# Altium PCB Ixora.PcbDoc (part 2 of 13) (continued)
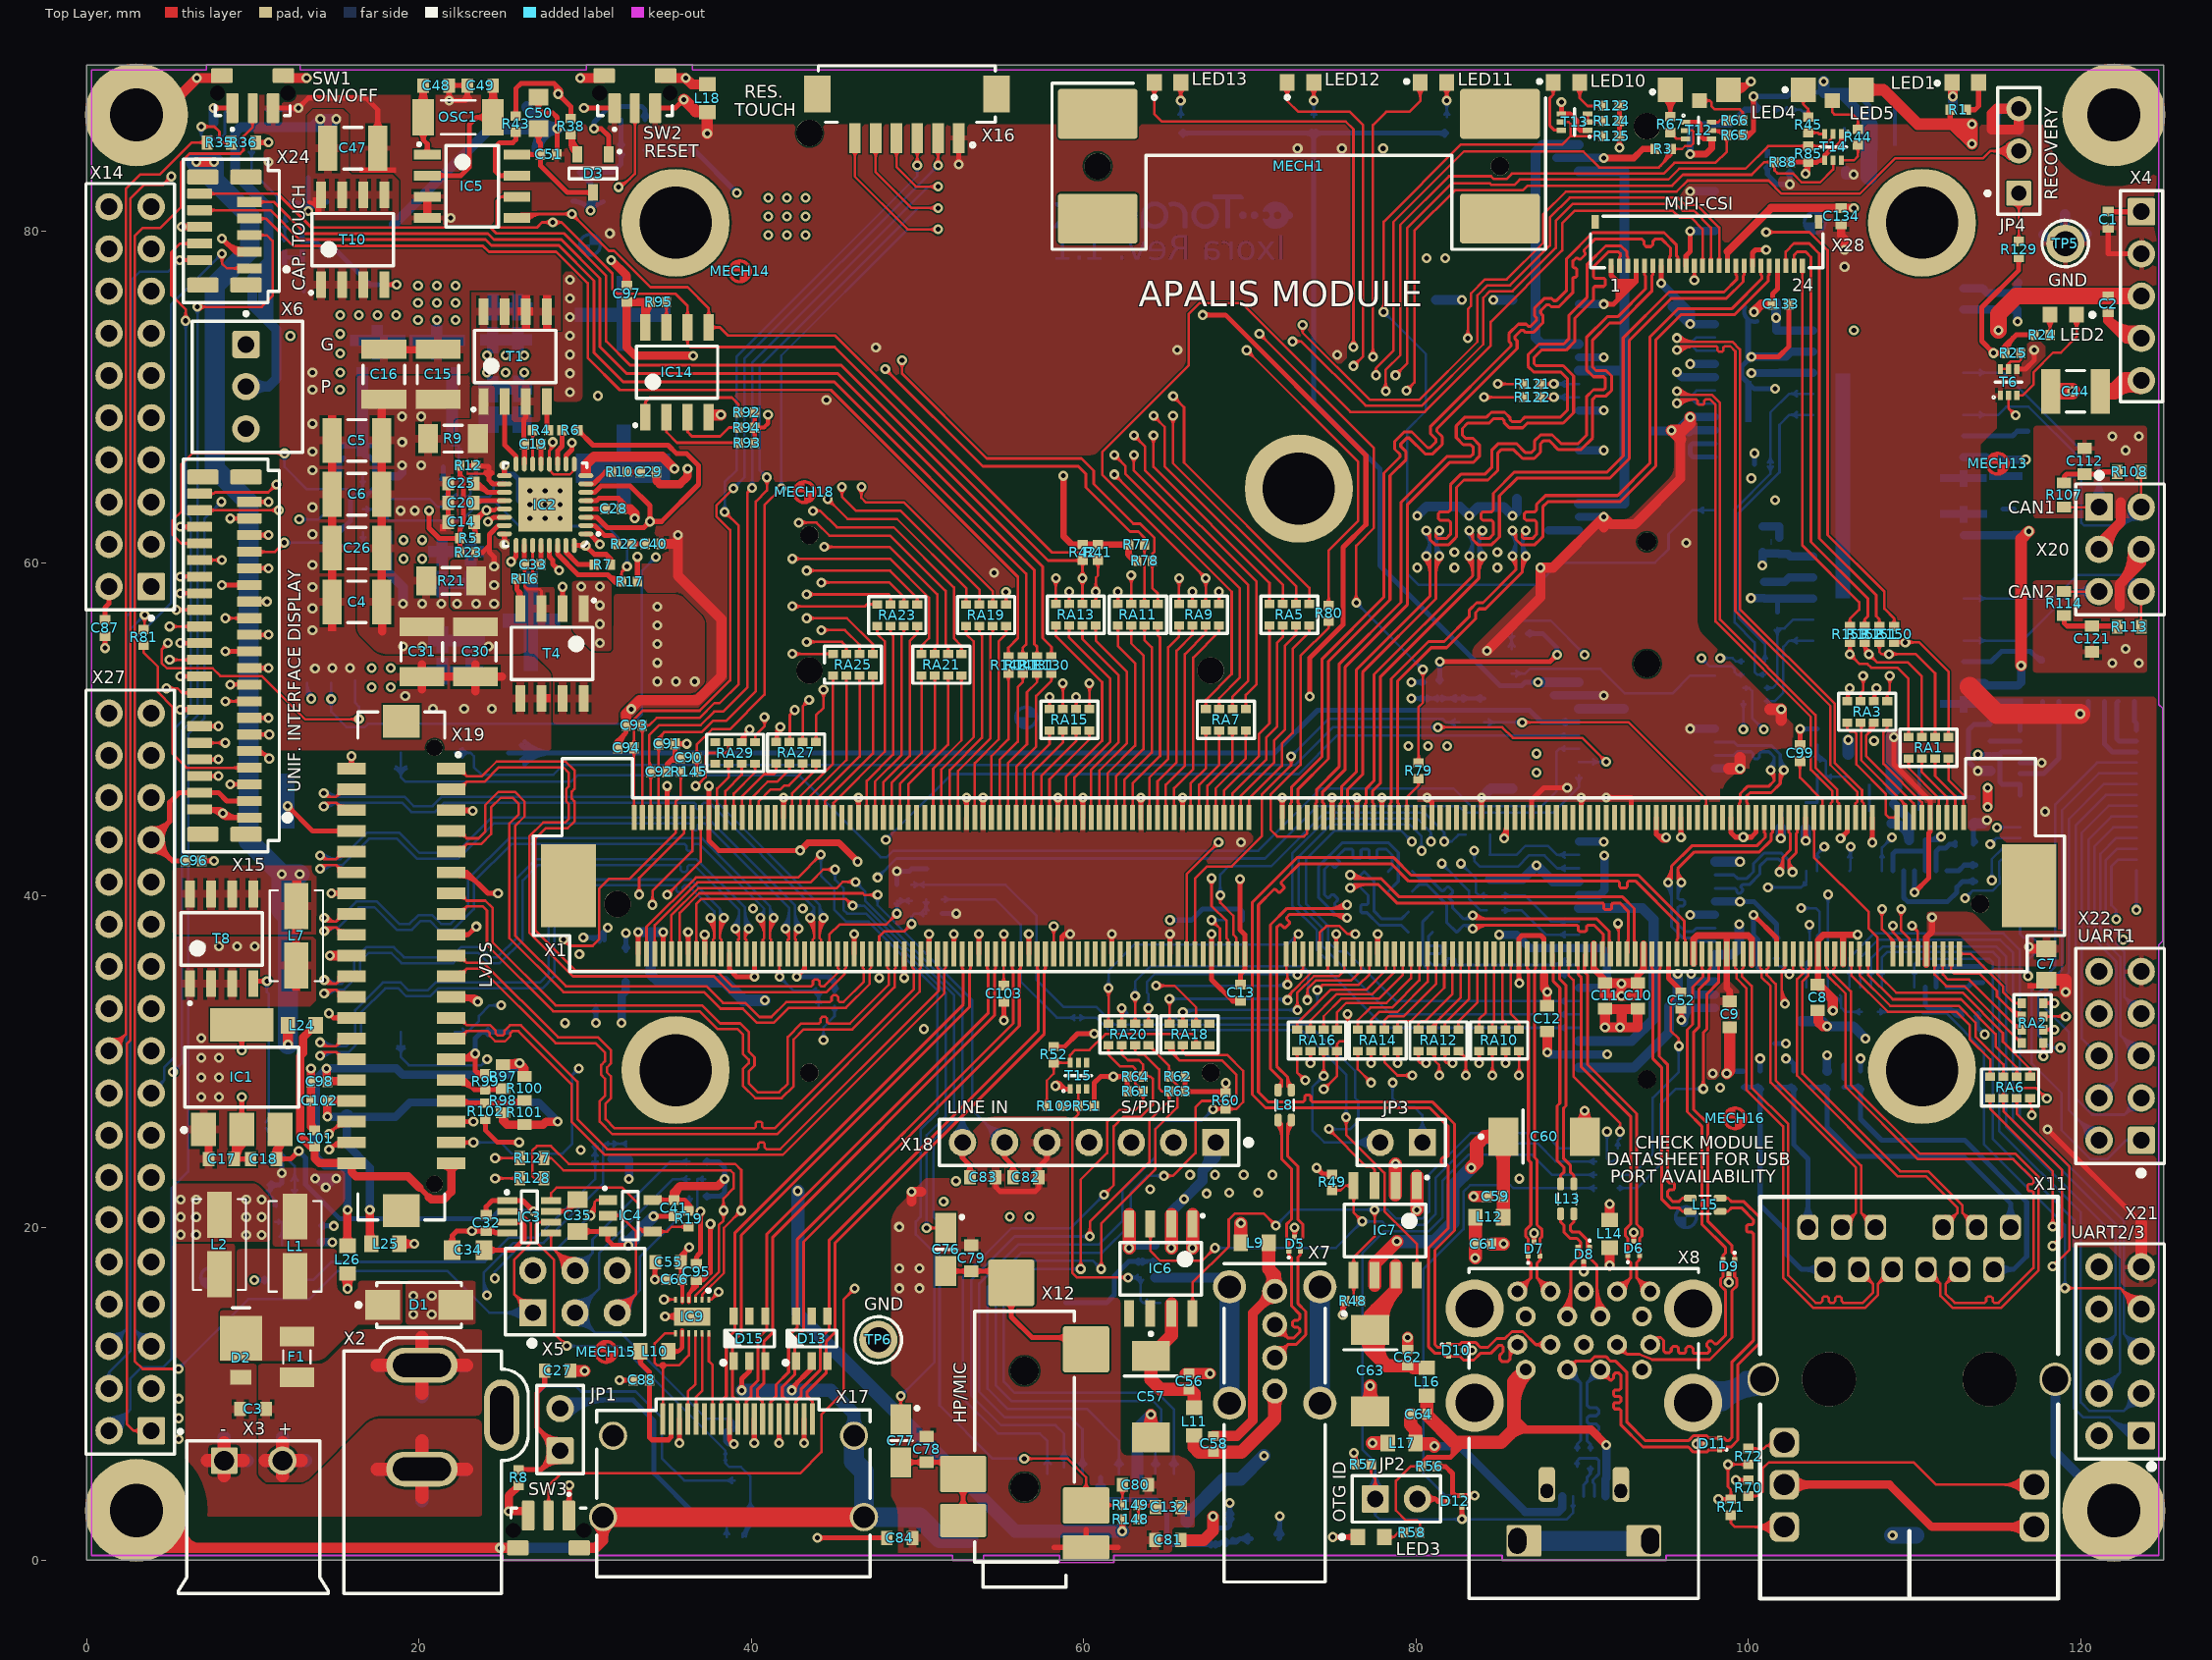
[diagram p0: Top Layer view]
## Footprints (in the part's own frame and the unit in brackets; to place one, negate y for a bottom-side part, rotate by r counter-clockwise, add the part's x,y. Pads: shape width x height; smd on the part's side, far side on the other; paste and mask are expansions set on the pad) (continued)
"T_TP-THT - EYE" [mm] "Testpin TH"
  round 2.3 hole 1.5: 1(0,0)
  silkscreen extent -1.4,-1.4 1.4,1.4, body extent -1.59,-1.59 1.59,1.59, height 8.14
T_TYCO_284512-2 [mm] "Power Connector 3.5mm"
  rrect10% 1.6x1.6 hole 1.2: 1(2.75,8)
  round 1.7 hole 1.2: 2(6.25,8)
  silkscreen extent 0,0 9,9.2, body extent 0,0 9,9.2, height 7.27
T_TYCO_826936-3 [mm] "Connector; Header; 3 Position"
  rrect10% 1.5x1.5 hole 0.9: 1(0,0)
  round 1.5 hole 0.9: 2(2.54,0) 3(5.08,0)
  silkscreen extent -1.27,-1.27 6.35,2, body extent -1.27,-1.27 6.35,1.27, height 8.4
T_TYCO_826936-5 [mm] "Connector, Header, 5 Position, 2.54mm pitch"
  rrect10% 1.65x1.65 hole 1: 1(0,0)
  round 1.65 hole 1: 2(2.54,0) 3(5.08,0) 4(7.62,0) 5(10.16,0)
  silkscreen extent -1.27,-1.27 11.43,1.27
T_VISHAY_SS3P3 [mm] "Schottky Barrier Rectifiers. 2-Leads, Body 3.7x1.88mm"
  rect 2.67x2.54 smd: 1(-0.8,0)
  rect 0.9x1.27 smd: 2(1.551,0)
  silkscreen extent -2.63,-0.53 -2.63,0.52, body extent -2,-1.09 2,1.09, height 1.15
"T_Wurth_687124182122 (Mirrored)" [mm] "FPC Connector(Mirrored), 24 Position, Top and Bottom 0.020\" (0.50mm) Surface Mount, Right Angle"
  rect 0.3x0.85 smd: 1(5.75,0.095) 2(5.25,0.095) 3(4.75,0.095) 4(4.25,0.095) 5(3.75,0.095) 6(3.25,0.095) 7(2.75,0.095) 8(2.25,0.095) 9(1.75,0.095) 10(1.25,0.095) 11(0.75,0.095) 12(0.25,0.095) 13(-0.25,0.095) 14(-0.75,0.095) 15(-1.25,0.095) 16(-1.75,0.095) 17(-2.25,0.095) 18(-2.75,0.095) 19(-3.25,0.095) 20(-3.75,0.095) 21(-4.25,0.095) 22(-4.75,0.095) 23(-5.25,0.095) 24(-5.75,0.095)
  rect 0.45x0.85 smd: ""(-6.725,-2.55) ""(6.725,-2.55)
  silkscreen extent -7,-2.9 7,0.2, body extent -7,-2.9 7,0.6, height 0.98
T_Wurth_693071010811 [mm] "MicroSD Holder, Push-Pust Type,"
  rect 0.7x1.5 smd: 1(-8.84,10.7)
  rect 0.8x1.5 smd: 2(-7.84,10.3) 3(-6.74,10.7) 4(-5.64,10.9) 5(-4.54,10.7) 6(-3.44,10.9) 7(-2.34,10.7) 8(-1.24,10.7)
  rect 1.8x1.4 smd: CD1(-2.05,0.4) CD2(-7.75,0.4)
  rect 1.4x1.9 smd: S1(-0.45,13.55) S2(-13.6,14.55)
  silkscreen extent -14.55,-0.56 0.51,15.75, body extent -14,0 0,19.65, height 1.83

## Part data
BAT1: library part BAT-Keystone-3000, "Battery Holder"
C1 C2 C13 C19 C32 C33 C41 C51 C56 C59 C62 C65 C66 C67 C70 C71 C73 C74 C75 C87 C88 C95 C96 C97 C98 C100 C102 C105 C106 C109 C111 C114 C115 C118 C120 C122 C123 C124 C125 C126 C127 C128 C129 C130 C131 C133 C134 C138 C143: library part C-X7R-100nF-16V-10%-0402, "Capacitor Ceramic X7R 100nF 16V 10% 0402"
C3 C17 C43: library part C-X7R-100nF-50V-20%-0603, "Capacitor Ceramic X7R 100nF 50V 20% 0603"
C4 C5 C6 C15 C16 C26 C30 C31 C44 C47: library part C-X5R-10uF-50V-20%-1210, "Capacitor Ceramic X5R 10uF 50V 20% 1210"
C7 C50: library part C-X5R-22uF-10V-20%-0805, "Capacitor Ceramic X5R 22uF 10V 20% 0805"
C8 C9 C10 C11 C12 C132: library part C-X5R-4.7uF-10V-10%-0603, "Capacitor Ceramic X5R 4.7uF 10V 10% 0603"
C14 C18 C25 C55 C68 C104 C107 C113 C116 C139 C140 C141 C142 C144 C145 C146 C147: library part C-X5R-10uF-10V-20%-0603, "Capacitor Ceramic X5R 10uF 10V 20% 0603"
C20 C27: library part C-X5R-1uF-16V-20%-0603, "Capacitor Ceramic X5R 1uF 16V 20% 0603"
C21 C22 C23 C24 C36 C37 C38 C39: library part C-X5R-47uF-10V-20%-0805, "Capacitor Ceramic X5R 47uF 10V 20% 0805"
C28 C52 C58 C61 C64 C69 C89 C90 C91 C92 C93 C94 C99 C103: library part C-X7R-1nF-50V-10%-0402, "Capacitor Ceramic X7R 1nF 50V 10% 0402"
C29: library part C-X7R-470pF-50V-10%-0402, "Capacitor Ceramic X7R 470pF 50V 10% 0402"
C34 C35: library part C-X7R-330nF-16V-10%-0805, "Capacitor Ceramic X7R 330nF 16V 10% 0805"
C40: library part C-X7R-680pF-50V-10%-0402, "Capacitor Ceramic X7R 680pF 50V 10% 0402"
C42 C45 C108 C110 C117 C119: library part C-X7R-10nF-25V-10%-0402, "Capacitor Ceramic X7R 10nF 25V 10% 0402"
C46: library part C-X7R-10nF-50V-10%-0402, "Capacitor Ceramic X7R 10nF 50V 10% 0402"
C48 C49: library part C-NPO-27pF-50V-5%-0603, "Capacitor Ceramic NPO 27pF 50V 5% 0603"
C53 C54: library part C-X7R-100pF-50V-10%-0402, "Capacitor Ceramic X7R 100pF 50V 10% 0402"
C57 C60 C63: library part C-TA-100uF-10V-10%-6032, "Capacitor TA 100uF 10V 10% 6032"
C72 C76 C77: library part C-TA-47uF-6.3V-20%-3216, "Capacitor TA 47uF 6.3V 20% 3216"
C78 C79 C80 C81 C82 C83 C84: library part C-NP0-15pF-50V-10%-0603, "Capacitor Ceramic NP0 15pF 50V 10% 0603"
C85 C86: library part C-X5R-2.2uF-6.3V-20%-0603, "Capacitor Ceramic X5R 2.2uF 6.3V 20% 0603"
C101: library part C-X7R-100nF-50V-10%-0402, "Capacitor Ceramic X7R 100nF 50V 10% 0402"
C112 C121: library part C-X7R-47nF-16V-10%-0603, "Capacitor Ceramic X7R 47nF 16V 10% 0603"
D1: "Bidirectional ESD protection"
D2: library part D-Vishay-SS3P3-E3/84A-Schottky, "SS3P3-E3/84A Schottky Diode"
D3: library part D-Philips-BAT54C-Schottky-30V-200mA, "BAT54 Schottky Diode"
D5 D6 D7 D8 D9 D10 D11 D12: library part D-TI-TPD2EUSB30DRTR, "2 Channel Protection for Super Speed USB3.0"
D13 D15: library part D-Semtech-RClamp0504S, "TVS Array low cap"
D14 D16: library part D-OnSemi-MM3Z15VT1G, "Zener Diode, Vz=15V, 300mW, SOD-323"
F1: library part F-Littelfuse-0458007, "Fuse 7A Fast"
IC1: library part IC-ON-NCV4264-2ST50T3G, "NCV4264-2ST50T3G LDO Regulator"
IC2: library part IC-TI-TPS51120, "Power Supply Controller"
IC3: library part IC-LIN-LTC2954CTS8-2#PBF, "Push Button On/Off Controller"
IC4: library part IC-FAR-NC7SZ126M5X, "NC7SZ126M5X  Buffer Three-State Output"
IC5: library part IC-ST-M41T0M6, "RTC M41T0M6"
IC6: library part IC-TI-TPS2052BD, "Dual High Side Switch With OC_DET 500mA/CH"
IC7: library part IC-TI-TPS2066CD, "1A Dual High Side Switch (Current Limiting (Fixed), Over Temperature, Reverse Current, UVLO)"
IC8: library part IC-ON-NCP511SN33T1G, "NCP511SN33T1G LDO Regulator"
IC9: library part IC-NXP-IP4791CZ12, "HDMI ESD protection, level shifter and backdrive protection"
IC10 IC11: library part IC-AD-ADM3053BRWZ, "Signal and Power Isolated CAN Transceiver  with Integrated Isolated DC-to-DC Converter"
IC12 IC13: library part IC-TI-SN65C3243DBR, "RS-232 Serial Transceiver"
IC14: library part IC-ON-CAT24C02WI-GT3, "2K I2Cl EEPROM"
IC16 IC17: "LDO TO 2A"
JP1 JP2 JP3: library part CON-Samtec-TSW-101-07-G-D, "Header male, 1x2 Pins, 2.54 mm pitch"
JP4: library part CON-Tyco-826936-3-1X3-2.54mm-JP, "Jumper, 3-Pin"
L1 L2 L6 L7: library part L-Laird-35F0121-0SR-10-10A-25%, "Power Supply FB 10A"
L3 L18 L27 L28: library part L-33R@100MHz-3A-25%-0603, "33R@100MHz 3A EMI FILTER"
L4: library part L-Bourns-SRP1038A-4R7M, "Inductance 4.7uH 10A 20% 15.5 mOhm -40°C to125°C"
L5: library part L-Wurth-744771008-8.2uH-6.25A-20%, "Inductance 8.2uH 6.25A 20%"
L8 L13 L15: library part L-Murata-DLW21SN900SQ2-90R@100MHz-330mA-25%, "Common Mode Choke High Speed 90R 330mA"
L9 L11 L12 L14 L16 L17 L19 L20 L21 L24 L25 L26: library part L-220R@100MHz-2A-25%-0603, "220R@100MHz 2A EMI FILTER"
L10: library part L-120R@100MHz-2A-25%-0603, "120R@100MHz 2A EMI FILTER"
LED1 LED10 LED11 LED12 LED13: library part LED-Kingbright-APA1606CGCK, "LED green Kingbright APA1606CGCK"
LED2: library part LED-Avago-HSMS-C190, "Surface mount LED red 20mA"
LED3: library part LED-Avago-HSMG-C190, "Surface mount LED green 20mA"
LED4 LED5: library part LED-LiteON-LTST-S326KGJRKT, "LED Green Red LiteON LTST-S326KGJRKT"
MECH1 MECH2: library part MECH-Molex-48099-5701, "Mini-PCIe Latch"
MECH9 MECH10 MECH11 MECH12 MECH13 MECH14 MECH15 MECH16 MECH17 MECH18: "Fiducial"
MECH19: "Toradex_Logo"
OSC1: library part OSC-MC-CC4V-T1A-32.768KHz-30ppm-5x1.9mm, "Quartz 32.768kHz"
R1 R24 R44 R45 R66 R67 R123 R138 R139 R140: library part R-560R-63mW-5%-0402, "Resistor 560 ohm 63mW 5% 0402"
R2 R3 R6 R11 R13 R17 R20 R25 R26 R27 R30 R31 R32 R34 R37 R43 R48 R49 R51 R52 R57 R59 R65 R85 R88 R89 R92 R93 R94 R95 R99 R102 R116 R125 R146 R147: library part R-100KR-63mW-5%-0402, "Resistor 100 Kohm 63mW 5% 0402"
R4 R5 R16: library part R-4.7R-63mW-5%-0402, "Resistor 4.7 ohm 63mW 5% 0402"
R7 R54 R55 R56 R73 R74 R75 R76 R81 R104 R106 R109 R110 R112 R115 R117 R121 R122 R135 R136 R145 R150 R151 R152 R153: library part R-0R-63mW-1%-0402, "Resistor 0 ohm 63mW 1% 0402"
R8 R18 R19 R105 R111: library part R-10KR-63mW-5%-0402, "Resistor 10 Kohm 63mW 5% 0402"
R9: library part R-12mR-250mW-1%-1206, "Resistor 12 mohm 250mW 1% 1206"
R10 R22: library part R-24KR-63mW-1%-0402, "Resistor 24 Kohm 63mW 1% 0402"
R12: library part R-3.3KR-63mW-1%-0402, "Resistor 3.3 Kohm 63mW 1% 0402"
R14 R15 R28 R29 R35 R36 R50 R53 R69 R83 R84 R86 R87 R90 R91 R96 R97 R98 R100 R101 R103 R118 R119 R120 R126 R127 R128 R137: library part R-0R-63mW-1%-0603, "Resistor 0 ohm 63mW 1% 0603"
R21: library part R-15mR-250mW-1%-1206, "Resistor 15 mohm 250mW 1% 1206"
R23: library part R-3.6KR-63mW-1%-0402, "Resistor 3.6 Kohm 63mW 1% 0402"
R33 R124: library part R-470KR-63mW-5%-0402, "Resistor 470 Kohm 63mW 5% 0402"
R38: library part R-470R-63mW-5%-0402, "Resistor 470 ohm 63mW 5% 0402"
R39 R40: library part R-10R-63mW-5%-0603, "Resistor 10 ohm 63mW 5% 0603"
R41 R42 R77 R78: library part R-1.8KR-63mW-5%-0402, "Resistor 1.8 Kohm 63mW 5% 0402"
R46 R47 R79 R80 R82 R130 R131 R141 R142: library part R-22R-63mW-5%-0402, "Resistor 22 ohm 63mW 5% 0402"
R58 R129: library part R-1KR-63mW-5%-0402, "Resistor 1 Kohm 63mW 5% 0402"
R60: library part R-33KR-63mW-5%-0402, "Resistor 33 Kohm 63mW 5% 0402"
R61 R62 R63 R64: library part R-68KR-63mW-5%-0402, "Resistor 68 Kohm 63mW 5% 0402"
R68: library part R-0R-63mW-1%-1210, "Resistor 0 ohm 63mW 1% 1210"
R70 R71 R72: library part R-150R-63mW-1%-0402, "Resistor 150 ohm 63mW 1% 0402"
R107 R108 R113 R114: library part R-56R-63mW-5%-0603, "Resistor 56 ohm 63mW 5% 0603"
R132 R143: library part R-40.2KR-63mW-1%-0402, "Resistor 40.2 Kohm 63mW 1% 0402"
R133 R144: library part R-20KR-63mW-1%-0402, "Resistor 20 Kohm 63mW 1% 0402"
R134: library part R-47KR-63mW-5%-0603, "Resistor 47 Kohm 63mW 5% 0603"
R148: library part R-100R-63mW-5%-0402, "Resistor 100 ohm 63mW 5% 0402"
R149: library part R-2.2KR-63mW-5%-0402, "Resistor 2.2Kohm 63mW 5% 0402"
RA1 RA2 RA3 RA4 RA5 RA6 RA7 RA8 RA9 RA10 RA11 RA12 RA13 RA14 RA15 RA16 RA18 RA19 RA20 RA21 RA23 RA25 RA27 RA29: library part RA-22R-63mW-5%-1206-div, "Resistor Array 22 R 63mW 5% 1206"
SW1 SW2 SW3: library part SW-E-Switch-TL3340AF160QG, "SWITCH TACT SUB MINI 160GF SMD Right Angle"
T1 T4: library part T-Fairchild-FDS6982AS-N, "N-Channel PowerTrench SyncFET"
T2: library part T-IR-IRLML6401PbF-SOT-23, "p-channel MOSFET, IRLML6401PbF"
T3 T6 T7 T12 T13 T14 T15: "Dual N-Channel 20V (D-S)  MOSFET"
T5: library part T-Diodes-DMP2022LSS-13-8-SOIC, "p-channel MOSFET, DMP2022LSS-13"
T8 T10: library part T-DiodesInc-DMP4015SSS-13, "P-channel MOSFET, DMP4015SSS-13"
T9 T11: library part T-Diodes-BSS138-7-F, "N-channel MOSFET, BSS138-7-F"
TP5 TP6: library part TP-Keystone-5011, "Testpin Eye TH"
X1: "MXM3 Connector"
X2: library part CON-SWC-RAPC722X, "Power Jack"
X3: library part CON-Tyco-284512-2-1x2-3.5mm, "Power Connector"
X4: library part CON-Tyco-826936-5-1X5-2.54mm, "Header, 5-Pin"
X5: library part CON-Samtec-SSW-103-01-G-D, "Receptacle Female Socket, 2x3 Pins, 2.54mm pitch"
X6: library part CON-Molex-22-11-2032, "Header with Friction Lock"
X7: "USB Type A Connector"
X8: library part CON-Amphenol-GSB311231HR, "USB 3.0 double row, Type A"
X9: "Micro USB OTG Connector"
X10: library part CON-Wurth-693071010811, "Micro SD Holder Push Push CD"
X11: library part CON-BEL-L829-1J1T-43, "Low profile 10/100/1G Mag Jack"
X12: library part CON-Cui-SJ-43516-SMT-6-3.5mm, "3.5mm Stereo Jack SMD With Detect Contact"
X14: library part CON-Samtec-TSW-110-07-G-D-Header, "Header male, 2x10 pin 2.54mm pitch"
X15: library part CON-Hirose-FH12-40S-0.5SV(55)-0.5mm, "0.50mm Pitch FFC/FPC Vertical RGB connector"
X16: library part CON-Hirose-DF13C-6P-1.25V(51)-1x6-1.25mm, "Touch Connector"
X17: library part CON-FCI-10029449-111RLF, "HDMI Connector Right Angle Vertical THT"
X18: library part CON-Samtec-TSW-107-07-G-S, "Header male, 1X7 Pins, 2.54 mm pitch"
X19: library part CON-Hirose-DF13A-40DP-1.25v(55)-2x20-1.25mm, "LVDS Connector"
X20: library part CON-Samtec-TSW-103-07-G-D, "Header Male, 2x3 Pins, 2.54mm pitch"
X21 X22: library part CON-Samtec-TSW-105-07-G-D, "Header Male, 2x5 Pins, 2.54mm pitch"
X23 X25: library part CON-Molex-67910-5700, "PCIe_Mini Card Holder"
X24: library part CON-Hirose-FH12-10S-0.5SVA(54)-0.5mm, "FFC/FPC, 1 Sided Contact, 0.50mm Pitch, 10 pins"
X26: library part CON-Molex-47023-0001, "6 Contacts Mini Sim Card Holder"
X27: library part CON-Samtec-TSW-118-07-G-D-Header, "Header male, 2x18 Pins, 2.54 mm pitch"
X28: library part "CON-Wurth-687124182122 (Mirrored)", "FFC/FPC Connector, 24 Position, Top and Bottom 0.020\" (0.50mm) Surface Mount, Right Angle"

## Free pads (board coordinates)
  round 6.2 hole 3.2: M3(3,3) M3(3,87) M3(122,3) M3(122,87)

## Via types
v1: diameter 0.6, hole 0.3, Top Layer to Bottom Layer, tented both sides, 852 vias
v2: diameter 0.6, hole 0.3, Top Layer to Bottom Layer, 11 vias

## Nets (pads, with @x,y where several pads share a name; then routed paths per layer and width w, separated by ;. In a path a pad name is that pad's centre, name@x,y a point inside that pad or via, vN(x,y) a via of type N, cw(c..) or ccw(c..) an arc to the next point about the centre after c; other vN are vias at no path point)
1.5V_MSATA1: C138.2 C140.2 IC16.6 R132.2 X23.6 X23.28 X23.48 | length 28.1
  Bottom Layer w0.6: X23.48@89.8,63.6 92.532,63.6 92.532,71.577 ; X23.28@89.8,71.6 92.507,71.6 ; X23.6@89.8,83.6 92.532,83.6 92.532,71.603
1.5V_PCIE1: C143.2 C145.2 IC17.6 R143.2 X25.6 X25.28 X25.48 | length 20.9
  Bottom Layer w0.15: C145.2@103.455,45.606 104.15,45.606 R143.2@104.15,47.27
  Bottom Layer w0.6: X25.48@89.8,31.25 92.975,31.25 94.3,32.575 94.3,38.567 93.617,39.25 X25.28@89.8,39.25 ; X25.6@89.8,51.25 92.5,51.25
3.3V: C7.1 C8.1 C9.1 C10.1 C11.1 C12.1 C21.2 C22.2 C23.2 C24.2 C41.1 C42.2 IC2.8 IC4.5 L4.2 L6.1 R18.1 R19.1 R20.2 R24.1 R25.2 R26.1 R89.1 R129.1 R146.2 T5.1 T5.2 T5.3 X1.10 X1.30 X1.36 X1.52 X1.58 X1.66 X1.78 X1.90 X1.102 X1.108 | length 153.3
  Top Layer w0.3: IC4.5@34.075,21.689 C41.1@35.35,21.69 C41.1@35.35,21.69 35.971,21.69 ; IC4.5@34.431,21.583 cw(c34.687,21.327) 34.687,21.689 cw(c34.687,22.051) IC4.5@34.431,21.795 ; 34.97,21.689 ccw(c34.97,22.03) C41.1@35.211,21.789 ; 34.974,21.689 cw(c34.974,21.354) C41.1@35.211,21.591 ; C41.1@35.489,21.591 cw(c35.728,21.352) 35.728,21.69 cw(c35.728,22.028) C41.1@35.489,21.789 ; R19.1@36.069,21.09 ccw(c35.603,21.322) 35.971,21.69 ; R19.1@36.12,21.125 ccw(c35.889,21.356) 36.215,21.356 ccw(c36.541,21.356) R19.1@36.31,21.125 ; R19.1@36.215,21.03 36.215,21.446 35.971,21.69 ; 36.266,21.395 cw(c35.997,21.126) R19.1@36.338,20.956 ; v1(81.425,54.092) 88.076,54.092 v1(88.487,54.503) ; v1@81.531,53.986 cw(c81.788,53.73) 81.788,54.092 cw(c81.788,54.454) v1@81.531,54.198 ; v1@86.109,34.842 ccw(c85.889,35.062) 86.2,35.062 ; v1@86.2,34.751 v1(86.215,34.736) ; v1@86.2,34.878 X1.108@86.2,36.5 86.2,37.432 86.368,37.6 87.52,37.6 87.7,37.42 87.7,35.211 ; 86.2,35.135 ccw(c86.613,35.135) v1@86.321,34.842 ; v1@88.337,54.503 cw(c87.975,54.503) 88.231,54.247 cw(c88.487,53.991) v1@88.487,54.353 ; v1@114.612,72.655 ccw(c114.249,72.655) 114.506,72.911 ccw(c114.762,73.167) v1@114.762,72.805 ; v1@114.868,72.549 cw(c115.124,72.293) 115.124,72.655 cw(c115.124,73.017) v1@114.868,72.761 ; R25.2@115.275,72.68 cw(c115.825,72.68) 115.436,73.069 ; R25.2@115.345,72.559 ccw(c115.114,72.329) 115.114,72.655 ccw(c115.114,72.981) R25.2@115.345,72.75 ; R25.2@115.345,72.775 ccw(c115.114,73.006) 115.44,73.006 ccw(c115.766,73.006) R25.2@115.535,72.775 ; R25.2@115.575,72.68 cw(c116.85,72.68) 115.948,73.581 ; R129.1@116.176,78.302 cw(c115.945,78.071) 116.271,78.071 cw(c116.597,78.071) R129.1@116.367,78.302 ; R129.1@116.271,78.412 116.271,77.638 114.046,75.413 114.046,73.37 v1(114.762,72.655) R25.2@115.44,72.655 115.44,73.073 116.117,73.75 R24.1@117.194,73.75 ; R24.1@117.098,73.655 ccw(c116.868,73.424) 116.868,73.75 ccw(c116.868,74.076) R24.1@117.098,73.845
  Top Layer w0.4: X1.90@90.7,37.1 X1.90@90.7,36.5 90.7,35.589 91.298,34.99 C11.1@91.298,34.726 ; C10.1@93.344,34.726 C10.1@93.344,34.751 93.344,35.204 93.7,35.559 X1.78@93.7,37.1 ; X1.66@96.7,35.9 96.7,37.39 96.91,37.6 98.7,37.6 ; C9.1@98.878,33.537 C9.1@98.878,33.639 98.878,34.269 98.7,34.447 X1.58@98.7,36.5 98.7,37.6 ; X1.52@100.2,35.85 100.2,37.4 100,37.6 99.201,37.6 98.7,37.6 ; C8.1@104.364,34.472 104.2,34.472 104.2,37.324 104.526,37.65 105.7,37.65 ; X1.30@105.7,35.89 105.7,37.65 ; v1(106.562,37.65) 105.7,37.65 ; X1.10@110.7,35.85 110.7,37.497 111.05,37.847 v1(111.05,38.7)
  Top Layer w0.5: C41.1@35.35,21.69 35.35,22.15 35.72,22.52 ; C41.1@35.43,21.694 cw(c36.434,21.805) 35.72,22.52 ; v1(38.405,22.95) 37.975,22.52 35.72,22.52 ; 87.7,34.804 ccw(c88.506,34.804) v1@87.936,34.234 ; 87.7,35.211 87.7,34.4 v1(87.901,34.199) C12.1@87.901,33.38
  Top Layer w0.6: 30.05,65.43 30.05,65.94 30.531,66.421 34.646,66.421 v1(35.382,65.684) ; C11.1@91.375,34.726 91.375,33.979 91.379,33.975 v1(92.372,33.975) ; C11.1@91.379,34.743 C10.1@93.336,34.743 ; v1@92.372,33.971 v1(92.372,33.975) ; v1(92.372,34.718) v1(92.372,33.975) ; 93.336,33.971 93.336,33.975 ; C10.1@93.344,34.726 93.336,34.718 93.336,33.975 ; C8.1@104.364,34.472 105.083,33.753 v1(105.083,33.075) ; v1(116.876,36.916) 116.977,36.815 C7.1@117.932,36.815 ; v1(92.372,33.975) 93.336,33.975
  Mid-Layer 1 w0.3: 111.583,51.35 111.6,51.333
  Mid-Layer 1 w0.5: v1(38.405,22.95) 38.505,23.05 51.093,23.05 52.781,21.361 60.503,21.361 60.864,21 73.832,21 75.802,22.97 v1@86.258,22.97 ; v1@38.44,22.915 cw(c38.767,22.588) 38.767,23.05
  Bottom Layer w0.3: L6.1@21.089,73.562 v1@21.089,74.65 ; R26.1@21.365,65.071 ccw(c21.134,65.301) 21.46,65.301 ccw(c21.786,65.301) R26.1@21.555,65.071 ; R26.1@21.46,64.975 C42.2@21.46,65.795 ; R20.2@37.23,21.906 38.136,21.906 38.405,22.174 v1(38.405,22.95) 38.405,23.633 38.046,23.991 R18.1@37.23,23.991 ; R20.2@37.325,21.81 cw(c37.556,21.58) 37.556,21.906 cw(c37.556,22.232) R20.2@37.325,22.001 ; R18.1@37.325,23.896 cw(c37.556,23.665) 37.556,23.991 cw(c37.556,24.317) R18.1@37.325,24.087 ; v1@38.299,22.844 cw(c38.043,22.588) 38.405,22.588 cw(c38.767,22.588) v1@38.511,22.844 ; v1@38.299,23.056 ccw(c38.043,23.312) 38.405,23.312 ccw(c38.767,23.312) v1@38.511,23.056 ; v1@81.319,53.986 cw(c81.063,53.73) 81.425,53.73 cw(c81.788,53.73) v1@81.531,53.986 ; R89.1@81.326,52.974 ccw(c81.087,53.213) 81.425,53.213 ccw(c81.763,53.213) R89.1@81.524,52.974 ; R89.1@81.425,52.835 v1(81.425,54.092) ; R146.2@86.706,55.778 87.63,55.778 88.487,54.922 v1(88.487,54.503) ; R146.2@86.852,55.683 cw(c87.083,55.452) 87.083,55.778 cw(c87.083,56.104) R146.2@86.852,55.874 ; v1@88.381,54.609 ccw(c88.124,54.865) 88.487,54.865 ccw(c88.849,54.865) v1@88.593,54.609
  Bottom Layer w0.5: C21.2@24.453,68.61 C24.2@25.975,68.61 ; C22.2@24.454,75.37 C23.2@25.976,75.37
  Bottom Layer w0.6: v1(92.372,33.975) v1(92.372,34.718)
  other v1: 86.226,22.97 97.851,29.3 19.95,74.65 21.078,74.65 22.2,74.65 19.95,75.676 21.078,75.676 22.208,75.676 19.95,76.702 21.078,76.702 22.208,76.702 41.015,79.75 42.143,79.75 43.265,79.75 41.015,80.878 42.143,80.878 43.273,80.878 41.015,82.006 42.143,82.006 43.273,82.006
3.3V_LED: LED1.2 R1.2 | length 2.8
  Top Layer w0.3: R1.2@113.103,87.3 113.64,87.3 113.855,87.515 LED1.2@113.855,88.95 ; R1.2@113.199,87.204 cw(c113.429,86.974) 113.429,87.3 cw(c113.429,87.626) R1.2@113.199,87.395
3.3V_MSATA1: C142.2 L27.2 X23.2 X23.24 X23.39 X23.41 X23.52 | length 22.2
  Bottom Layer w0.3: X23.41@98,66.4 96.668,66.4 96.495,66.573 96.495,67.056 96.639,67.2 X23.39@98,67.2
  Bottom Layer w0.5: 87.986,62 X23.52@89.8,62
  Bottom Layer w0.6: X23.24@89.8,73.2 87.582,73.2 87.198,73.584 87.198,84.766 87.249,84.817 87.249,84.836 87.613,85.2 X23.2@89.8,85.2
3.3V_PCIE1: C147.2 L28.2 R134.2 R138.1 R139.1 R140.1 X25.2 X25.24 X25.39 X25.41 X25.52 | length 83.7
  Mid-Layer 1 w0.7: v1(95.75,35.3) v1(96.55,35.3)
  Bottom Layer w0.3: R140.1@65.85,85.889 R138.1@73.85,85.889 ; R140.1@65.974,85.765 cw(c66.272,85.467) 66.272,85.889 cw(c66.272,86.311) R140.1@65.974,86.013 ; R138.1@73.726,86.013 cw(c73.428,86.311) 73.428,85.889 cw(c73.428,85.467) 73.726,85.765 cw(c73.428,85.467) 73.85,85.467 cw(c74.272,85.467) 73.974,85.765 cw(c74.272,85.467) 74.272,85.889 cw(c74.272,86.311) R138.1@73.974,86.013 ; R139.1@81.731,85.765 ccw(c81.433,85.467) 81.433,85.889 ccw(c81.433,86.311) R139.1@81.731,86.013 ; R139.1@81.855,85.889 R138.1@73.85,85.889 ; v1@87.244,52.744 ccw(c86.988,52.488) 86.988,52.85 ccw(c86.988,53.212) v1@87.244,52.956 ; v1(87.35,52.85) 86.565,52.85 86.355,52.64 85.053,52.64 77.826,59.868 77.826,65.684 73.85,69.66 R138.1@73.85,85.889
  Bottom Layer w0.5: v1(96.55,35.3) 96.55,34.85 ; X25.41@98,34.05 96.55,34.05 96.55,34.85 ; X25.39@98,34.85 96.55,34.85
  Bottom Layer w0.6: R134.2@84.45,41 86.43,41 v1(87.26,41.829) 88.239,40.85 X25.24@89.8,40.85 ; v1(87.35,52.85) X25.2@89.8,52.85 ; X25.52@89.8,29.65 93.1,29.65 95.225,31.775 95.225,33.345 95.75,33.87 v1(95.75,35.3)
  other v1: 87.25,47.4 87.25,48.55
3.3V_SD: C67.2 C68.2 L19.1 X10.4 | length 17.1
  Bottom Layer w0.3: X10.4@60.853,4.473 cw(c60.426,4.046) 61.03,4.046 cw(c61.634,4.046) X10.4@61.207,4.473 ; X10.4@61.03,5 61.03,3.875 61.248,3.658 64.338,3.658 64.999,2.997 64.999,1.264 65.302,0.96 C67.2@67.798,0.96 68.173,0.96 ; C67.2@67.659,0.861 ccw(c67.42,0.622) 67.42,0.96 ccw(c67.42,1.298) C67.2@67.659,1.059 ; C67.2@67.927,1.068 ccw(c68.103,1.284) 68.3,1.087 ; C67.2@67.938,0.862 cw(c68.173,0.629) 68.173,0.96 ; C67.2@67.938,1.058 ccw(c68.173,1.291) 68.173,0.96 ; C68.2@68.568,0.96 ccw(c68.3,0.74) 68.3,1.087 ; C68.2@68.568,1.214 cw(c68.3,1.434) 68.3,1.087 ; C68.2@68.981,1.255 ccw(c69.163,1.537) 69.4,1.3 ; L19.1@69.874,1.101 ccw(c69.4,0.636) 69.4,1.3 ; L19.1@69.874,1.499 cw(c69.4,1.964) 69.4,1.3 ; L19.1@70.078,1.3 69.4,1.3 ; 68.173,0.96 68.3,1.087 ; 68.3,1.087 C68.2@68.798,1.087 69.187,1.087 69.4,1.3